# Altium PCB BCM_ECU_revA.PcbDoc (part 1 of 2)
Units mil, origin at the board's own origin, x right, y up, seen from the top; angles counter-clockwise.
Board outline 6000 x 4000 mil, 2 copper layers (Top Layer, Bottom Layer); 334 components, 321 nets, 1183 pads, 0 vias.
Unrouted connection lines stored in the file: 714.
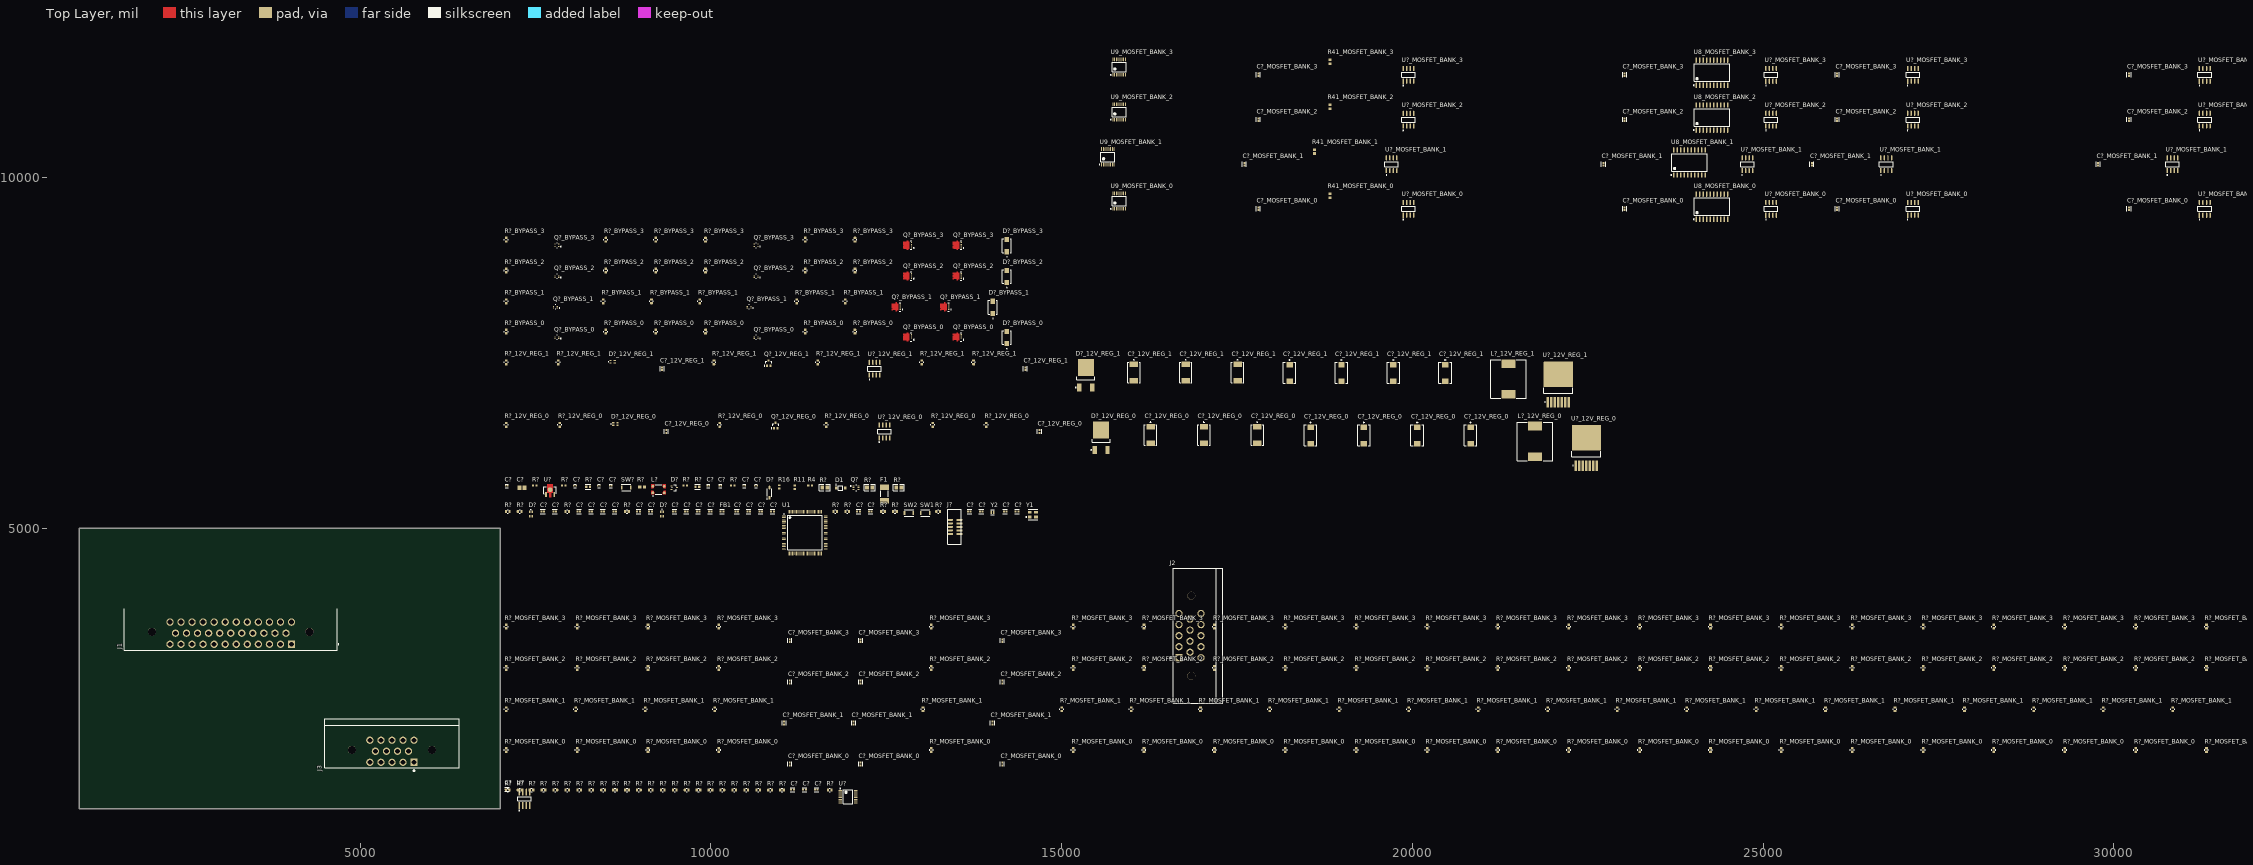
[diagram p0: Top Layer view]
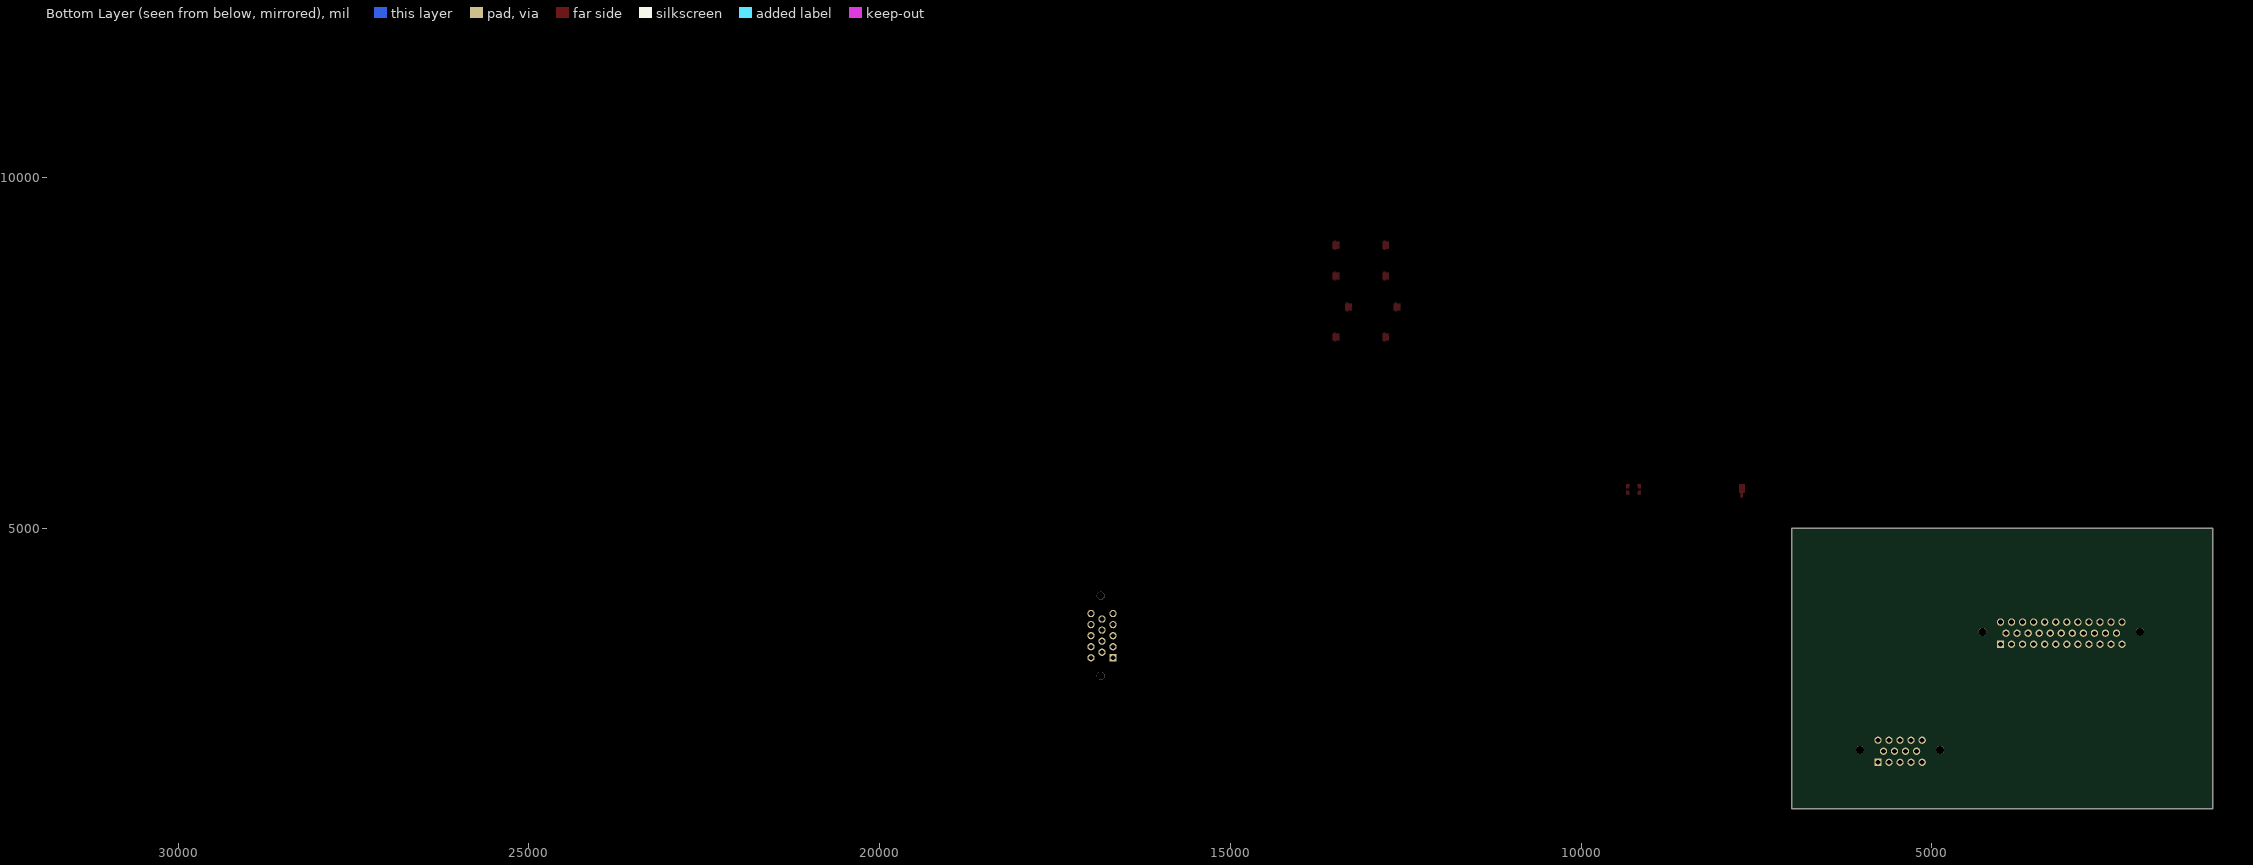
[diagram p1: Bottom Layer view, seen from below]

## Layer stack, top to bottom
Top Solder: solder mask 0.4, Solder Resist, Dk 3.5
Top Layer: signal copper 1.4
Dielectric 1: dielectric 12.6, FR-4, Dk 4.8
Bottom Layer: signal copper 1.4
Bottom Solder: solder mask 0.4, Solder Resist, Dk 3.5

## Board outline
1000,1000 7000,1000 7000,5000 1000,5000

## Design rules (kind name [scope] priority, off if disabled: settings)
Clearance [All] p1: gap=10 ignorepadtopadclearanceinfootprint=FALSE
DiffPairsRouting [All] p1: maxlimit=10 minlimit=10 mostfreqgap=10 toplayer_minwidth=15 toplayer_maxwidth=15 toplayer_prefwidth=15 bottomlayer_minwidth=15 bottomlayer_maxwidth=15 bottomlayer_prefwidth=15 maxuncoupledlength=500
PolygonConnect [All] p1: connectstyle=Relief reliefconductorwidth=10 reliefentries=4 polygonreliefangle="90 Angle" airgapwidth=10
RoutingVias [All] p1: holewidth=28 width=50 viastyle="Through Hole" minholewidth=28 minwidth=50 maxholewidth=28 maxwidth=50
SolderMaskExpansion [All] p1: expansion=4 istentingtop=FALSE
Width [All] p1: maxlimit=10 minlimit=10 preferedwidth=10
29 further rules are at their usual default settings.

## Classes and differential pairs
channel class MOSFET_BANK: MOSFET_BANK_0 MOSFET_BANK_1 MOSFET_BANK_2 MOSFET_BANK_3
channel class BYPASS_BLOCK: BYPASS_0 BYPASS_1 BYPASS_2 BYPASS_3
channel class 12V_REG: 12V_REG_0 12V_REG_1
net class 120DIFF: CAN_N CAN_P PRE_CAN_N PRE_CAN_P
component class PWR_MGMT: C? D1 D? F1 L? Q1 Q2 Q3 Q4 Q6 Q7 Q? R4 R11 R16 R? SW? U?
component class MOSFET_BANK_3: C?_MOSFET_BANK_3 R17_MOSFET_BANK_3 R18_MOSFET_BANK_3 R21_MOSFET_BANK_3 R22_MOSFET_BANK_3 R41_MOSFET_BANK_3 R?_MOSFET_BANK_3 U8_MOSFET_BANK_3 U9_MOSFET_BANK_3 U?_MOSFET_BANK_3
component class MOSFET_BANK_2: C?_MOSFET_BANK_2 R17_MOSFET_BANK_2 R18_MOSFET_BANK_2 R21_MOSFET_BANK_2 R22_MOSFET_BANK_2 R41_MOSFET_BANK_2 R?_MOSFET_BANK_2 U8_MOSFET_BANK_2 U9_MOSFET_BANK_2 U?_MOSFET_BANK_2
component class MOSFET_BANK_1: C?_MOSFET_BANK_1 R17_MOSFET_BANK_1 R18_MOSFET_BANK_1 R21_MOSFET_BANK_1 R22_MOSFET_BANK_1 R41_MOSFET_BANK_1 R?_MOSFET_BANK_1 U8_MOSFET_BANK_1 U9_MOSFET_BANK_1 U?_MOSFET_BANK_1
component class MOSFET_BANK_0: C?_MOSFET_BANK_0 R17_MOSFET_BANK_0 R18_MOSFET_BANK_0 R21_MOSFET_BANK_0 R22_MOSFET_BANK_0 R41_MOSFET_BANK_0 R?_MOSFET_BANK_0 U8_MOSFET_BANK_0 U9_MOSFET_BANK_0 U?_MOSFET_BANK_0
component class MCU_0: C? D? FB1 J1 R? SW1 SW2 U1 Y1 Y2
component class BCM_ECU: J1 J2 J3
component class BYPASS_3: D?_BYPASS_3 Q?_BYPASS_3 R?_BYPASS_3
component class BYPASS_2: D?_BYPASS_2 Q?_BYPASS_2 R?_BYPASS_2
component class BYPASS_1: D?_BYPASS_1 Q?_BYPASS_1 R?_BYPASS_1
component class BYPASS_0: D?_BYPASS_0 Q?_BYPASS_0 R?_BYPASS_0
component class ADC_0: C? R? U?
component class 12V_REG_1: C?_12V_REG_1 D?_12V_REG_1 L?_12V_REG_1 Q?_12V_REG_1 R?_12V_REG_1 U?_12V_REG_1
component class 12V_REG_0: C?_12V_REG_0 D?_12V_REG_0 L?_12V_REG_0 Q?_12V_REG_0 R?_12V_REG_0 U?_12V_REG_0
differential pair X: +X_P -X_N
differential pair X32: +X32_P -X32_N
differential pair PRE_CAN: +PRE_CAN_P -PRE_CAN_N

## Components (designator, comment, footprint, x,y, rotation, side; value= is the part's Value field where it differs from the comment)
C? "100n" FP-0402-L_1_0_0_05-W_0_5-IPC_A 7095,1280 r0 top
C? "1u" C0402B 9480,5240 r0 top
C? "100n" C0402B 9140,5240 r0 top
C? "100n" C0402B 8290,5240 r0 top
C? "100n" C0402B 10880,5240 r0 top
C? "18p" C0402B 13855,5240 r0 top
C? "100n" C0402B 10540,5240 r0 top
C? "1u" C0402B 8120,5240 r0 top
C? "18p" C0402B 13685,5240 r0 top
C? "C0402C104K8PACTU" FP-C0402-BB-MFG 10645,5605 r0 top value="0.10 μF"
C? "C0402C104K8PACTU" FP-C0402-BB-MFG 7090,5605 r0 top value="0.10 μF"
C? "C0402C104K8PACTU" FP-C0402-BB-MFG 8405,5605 r0 top value="0.10 μF"
C? "C0402C104K8PACTU" FP-C0402-BB-MFG 10475,5605 r0 top value="0.10 μF"
C? "C0402C104K8PACTU" FP-C0402-BB-MFG 8065,5605 r0 top value="0.10 μF"
C? "C0805C225K9PACTU" CAPC2013X145X50ML20T25 7310,5580 r0 top
C? "C0402C104K8PACTU" FP-C0402-BB-MFG 10135,5605 r0 top value="0.10 μF"
C? "C0402C104K8PACTU" FP-C0402-BB-MFG 9965,5605 r0 top value="0.10 μF"
C? "C0402C104K8PACTU" FP-C0402-BB-MFG 8575,5605 r0 top value="0.10 μF"
C? "6.8p" C0402B 14365,5240 r0 top
C? "100n" C0402B 10370,5240 r0 top
C? "100n" C0402B 9820,5240 r0 top
C? "1u" C0402B 7605,5240 r0 top
C? "100n" FP-0402-L_1_0_0_05-W_0_5-IPC_A 11335,1275 r0 top
C? "100n" FP-0402-L_1_0_0_05-W_0_5-IPC_A 11165,1275 r0 top
C? "100n" C0402B 9650,5240 r0 top
C? "100n" FP-0402-L_1_0_0_05-W_0_5-IPC_A 11505,1275 r0 top
C? "100n" C0402B 8630,5240 r0 top
C? "2.2u" C0402B 8970,5240 r0 top
C? "100n" C0402B 12105,5240 r0 top
C? "2.2u" C0402B 8460,5240 r0 top
C? "100n" C0402B 9990,5240 r0 top
C? "100n" C0402B 12275,5240 r0 top
C? "100n" C0402B 7775,5240 r0 top
C? "4.7u" C0402B 10710,5240 r0 top
C? "6.8p" C0402B 14195,5240 r0 top
C?_12V_REG_0 "T495D107K016ATE125" FP-T495D107K016ATE125-MFG 20070,6325 r90 top (schematic designator C?)
C?_12V_REG_0 "100n" C0402B 14685,6380 r90 top (schematic designator C?)
C?_12V_REG_0 "T495D107K016ATE125" FP-T495D107K016ATE125-MFG 20830,6325 r90 top (schematic designator C?)
C?_12V_REG_0 "T495D107K016ATE125" FP-T495D107K016ATE125-MFG 18550,6325 r90 top (schematic designator C?)
C?_12V_REG_0 "100n" FP-0402-L_1_0_0_05-W_0_5-IPC_A 9365,6380 r90 top (schematic designator C?)
C?_12V_REG_0 "TPSE686K025R0125" FP-TPSE-MFG 17790,6330 r90 top (schematic designator C?)
C?_12V_REG_0 "TPSE686K025R0125" FP-TPSE-MFG 17030,6330 r90 top (schematic designator C?)
C?_12V_REG_0 "TPSE686K025R0125" FP-TPSE-MFG 16270,6330 r90 top (schematic designator C?)
C?_12V_REG_0 "T495D107K016ATE125" FP-T495D107K016ATE125-MFG 19310,6325 r90 top (schematic designator C?)
C?_12V_REG_1 "100n" C0402B 14485,7275 r90 top (schematic designator C?)
C?_12V_REG_1 "T495D107K016ATE125" FP-T495D107K016ATE125-MFG 18250,7215 r90 top (schematic designator C?)
C?_12V_REG_1 "T495D107K016ATE125" FP-T495D107K016ATE125-MFG 18990,7215 r90 top (schematic designator C?)
C?_12V_REG_1 "TPSE686K025R0125" FP-TPSE-MFG 17510,7220 r90 top (schematic designator C?)
C?_12V_REG_1 "TPSE686K025R0125" FP-TPSE-MFG 16770,7220 r90 top (schematic designator C?)
C?_12V_REG_1 "TPSE686K025R0125" FP-TPSE-MFG 16030,7220 r90 top (schematic designator C?)
C?_12V_REG_1 "T495D107K016ATE125" FP-T495D107K016ATE125-MFG 20470,7215 r90 top (schematic designator C?)
C?_12V_REG_1 "T495D107K016ATE125" FP-T495D107K016ATE125-MFG 19730,7215 r90 top (schematic designator C?)
C?_12V_REG_1 "100n" FP-0402-L_1_0_0_05-W_0_5-IPC_A 9305,7275 r90 top (schematic designator C?)
C?_MOSFET_BANK_0 "100n" FP-0402-L_1_0_0_05-W_0_5-IPC_A 14155,1640 r90 top (schematic designator C?)
C?_MOSFET_BANK_0 "100n" FP-0402-L_1_0_0_05-W_0_5-IPC_A 12135,1640 r90 top (schematic designator C?)
C?_MOSFET_BANK_0 "100n" FP-0402-L_1_0_0_05-W_0_5-IPC_A 11125,1640 r90 top (schematic designator C?)
C?_MOSFET_BANK_0 "100n" FP-0402-L_1_0_0_05-W_0_5-IPC_A 17805,9555 r90 top (schematic designator C?)
C?_MOSFET_BANK_0 "100n" FP-0402-L_1_0_0_05-W_0_5-IPC_A 30215,9555 r90 top (schematic designator C?)
C?_MOSFET_BANK_0 "100n" FP-0402-L_1_0_0_05-W_0_5-IPC_A 26055,9555 r90 top (schematic designator C?)
C?_MOSFET_BANK_0 "100n" FP-0402-L_1_0_0_05-W_0_5-IPC_A 23025,9555 r90 top (schematic designator C?)
C?_MOSFET_BANK_1 "100n" FP-0402-L_1_0_0_05-W_0_5-IPC_A 11045,2225 r90 top (schematic designator C?)
C?_MOSFET_BANK_1 "100n" FP-0402-L_1_0_0_05-W_0_5-IPC_A 12035,2225 r90 top (schematic designator C?)
C?_MOSFET_BANK_1 "100n" FP-0402-L_1_0_0_05-W_0_5-IPC_A 14015,2225 r90 top (schematic designator C?)
C?_MOSFET_BANK_1 "100n" FP-0402-L_1_0_0_05-W_0_5-IPC_A 25695,10190 r90 top (schematic designator C?)
C?_MOSFET_BANK_1 "100n" FP-0402-L_1_0_0_05-W_0_5-IPC_A 29775,10190 r90 top (schematic designator C?)
C?_MOSFET_BANK_1 "100n" FP-0402-L_1_0_0_05-W_0_5-IPC_A 17605,10190 r90 top (schematic designator C?)
C?_MOSFET_BANK_1 "100n" FP-0402-L_1_0_0_05-W_0_5-IPC_A 22725,10190 r90 top (schematic designator C?)
C?_MOSFET_BANK_2 "100n" FP-0402-L_1_0_0_05-W_0_5-IPC_A 11125,2810 r90 top (schematic designator C?)
C?_MOSFET_BANK_2 "100n" FP-0402-L_1_0_0_05-W_0_5-IPC_A 12135,2810 r90 top (schematic designator C?)
C?_MOSFET_BANK_2 "100n" FP-0402-L_1_0_0_05-W_0_5-IPC_A 14155,2810 r90 top (schematic designator C?)
C?_MOSFET_BANK_2 "100n" FP-0402-L_1_0_0_05-W_0_5-IPC_A 26055,10825 r90 top (schematic designator C?)
C?_MOSFET_BANK_2 "100n" FP-0402-L_1_0_0_05-W_0_5-IPC_A 17805,10825 r90 top (schematic designator C?)
C?_MOSFET_BANK_2 "100n" FP-0402-L_1_0_0_05-W_0_5-IPC_A 30215,10825 r90 top (schematic designator C?)
C?_MOSFET_BANK_2 "100n" FP-0402-L_1_0_0_05-W_0_5-IPC_A 23025,10825 r90 top (schematic designator C?)
C?_MOSFET_BANK_3 "100n" FP-0402-L_1_0_0_05-W_0_5-IPC_A 11125,3400 r90 top (schematic designator C?)
C?_MOSFET_BANK_3 "100n" FP-0402-L_1_0_0_05-W_0_5-IPC_A 12135,3400 r90 top (schematic designator C?)
C?_MOSFET_BANK_3 "100n" FP-0402-L_1_0_0_05-W_0_5-IPC_A 14155,3400 r90 top (schematic designator C?)
C?_MOSFET_BANK_3 "100n" FP-0402-L_1_0_0_05-W_0_5-IPC_A 26055,11465 r90 top (schematic designator C?)
C?_MOSFET_BANK_3 "100n" FP-0402-L_1_0_0_05-W_0_5-IPC_A 17805,11465 r90 top (schematic designator C?)
C?_MOSFET_BANK_3 "100n" FP-0402-L_1_0_0_05-W_0_5-IPC_A 23025,11465 r90 top (schematic designator C?)
C?_MOSFET_BANK_3 "100n" FP-0402-L_1_0_0_05-W_0_5-IPC_A 30215,11465 r90 top (schematic designator C?)
D1 "MMSZ5242BT1G" ONSC-SOD-123-2-425-04_V 11850,5575 r0 top
D? "150066RG54050" WL-SBCD_0606 9305,5205 r0 top
D? "150066RG54050" WL-SBCD_0606 7435,5205 r0 top
D? "1N4148W-TP" FP-SOD-123-IPC_A 10835,5510 r90 top
D? "ESDCAN02-2BWY" FP-SOT323-3L-MFG 9480,5580 r0 top value=3pF
D?_12V_REG_0 "SBRD8835LT4G" ONSC-DPAK-3-369C-01_V 15565,6290 r90 top (schematic designator D?)
D?_12V_REG_0 "150066RG54050" WL-SBCD_0606 8640,6485 r90 top (schematic designator D?)
D?_12V_REG_1 "SBRD8835LT4G" ONSC-DPAK-3-369C-01_V 15345,7180 r90 top (schematic designator D?)
D?_12V_REG_1 "150066RG54050" WL-SBCD_0606 8600,7375 r90 top (schematic designator D?)
D?_BYPASS_0 "SK34A-LTP" SK34A-LTP-Footprint-1 14220,7720 r90 top (schematic designator D?)
D?_BYPASS_1 "SK34A-LTP" SK34A-LTP-Footprint-1 14020,8150 r90 top (schematic designator D?)
D?_BYPASS_2 "SK34A-LTP" SK34A-LTP-Footprint-1 14220,8590 r90 top (schematic designator D?)
D?_BYPASS_3 "SK34A-LTP" SK34A-LTP-Footprint-1 14220,9030 r90 top (schematic designator D?)
F1 "0679L9100-05" FP-0679L-MFG 12475,5490 r90 top value=0.0038Ω
FB1 "BLM15PX601SN1D" FP-BLM15-0_05-IPC_A 10160,5240 r0 top
J1 "776163-1" FP-776163-1-MFG 3157.05,4015.16 r180 top
J2 "1-776267-1" 1-776267-2-Footprint-1 16850,3470 r90 top
J3 "1-776267-1" 1-776267-2-Footprint-1 5455,1842.2 r180 top
J? "3220-10-0300-00" 3220-10-0300-00-Footprint-1 13475,5020 r0 top
L? "SRF4532-510Y" FP-SRF4532-MFG 9255,5555 r0 top
L?_12V_REG_0 "SRP1265A-100M" FP-SRP1265A-100M-MFG 21750,6240 r90 top (schematic designator L?)
L?_12V_REG_1 "SRP1265A-100M" FP-SRP1265A-100M-MFG 21370,7130 r90 top (schematic designator L?)
Q? "SSM6N7002KFU,LF" FP-SSOP6-P-0_65A-MFG 12070,5580 r0 top
Q?_12V_REG_0 "BSS138W-7-F" DIOD-SOT323-3_V 10925,6465 r90 top (schematic designator Q?)
Q?_12V_REG_1 "BSS138W-7-F" DIOD-SOT323-3_V 10825,7355 r90 top (schematic designator Q?)
Q?_BYPASS_0 "SSM6L56FE,LM" FP-SON6-P-0_50-MFG 10645,7725 r90 top (schematic designator Q?)
Q?_BYPASS_0 "SISH615ADN-T1-GE3" SISH615ADN-T1-GE3-Footprint-1 13515,7725 r90 top (schematic designator Q?)
Q?_BYPASS_0 "SSM6L56FE,LM" FP-SON6-P-0_50-MFG 7805,7725 r90 top (schematic designator Q?)
Q?_BYPASS_0 "SISH615ADN-T1-GE3" SISH615ADN-T1-GE3-Footprint-1 12805,7725 r90 top (schematic designator Q?)
Q?_BYPASS_1 "SISH615ADN-T1-GE3" SISH615ADN-T1-GE3-Footprint-1 12645,8155 r90 top (schematic designator Q?)
Q?_BYPASS_1 "SSM6L56FE,LM" FP-SON6-P-0_50-MFG 7785,8160 r90 top (schematic designator Q?)
Q?_BYPASS_1 "SISH615ADN-T1-GE3" SISH615ADN-T1-GE3-Footprint-1 13335,8155 r90 top (schematic designator Q?)
Q?_BYPASS_1 "SSM6L56FE,LM" FP-SON6-P-0_50-MFG 10545,8160 r90 top (schematic designator Q?)
Q?_BYPASS_2 "SISH615ADN-T1-GE3" SISH615ADN-T1-GE3-Footprint-1 12805,8595 r90 top (schematic designator Q?)
Q?_BYPASS_2 "SISH615ADN-T1-GE3" SISH615ADN-T1-GE3-Footprint-1 13515,8595 r90 top (schematic designator Q?)
Q?_BYPASS_2 "SSM6L56FE,LM" FP-SON6-P-0_50-MFG 10645,8595 r90 top (schematic designator Q?)
Q?_BYPASS_2 "SSM6L56FE,LM" FP-SON6-P-0_50-MFG 7805,8595 r90 top (schematic designator Q?)
Q?_BYPASS_3 "SISH615ADN-T1-GE3" SISH615ADN-T1-GE3-Footprint-1 13515,9035 r90 top (schematic designator Q?)
Q?_BYPASS_3 "SSM6L56FE,LM" FP-SON6-P-0_50-MFG 10645,9035 r90 top (schematic designator Q?)
Q?_BYPASS_3 "SSM6L56FE,LM" FP-SON6-P-0_50-MFG 7805,9035 r90 top (schematic designator Q?)
Q?_BYPASS_3 "SISH615ADN-T1-GE3" SISH615ADN-T1-GE3-Footprint-1 12805,9035 r90 top (schematic designator Q?)
R4 "ERJ3EKF1002V" RESC1609X55X30LL15T15 11415,5610 r0 top
R11 "ERJ3EKF1002V" RESC1609X55X30LL15T15 11195,5585 r90 top
R16 "ERJ3EKF2701V" RESC1608X55X30LL15T15 10975,5590 r90 top
R41_MOSFET_BANK_0 "ERT-J1VR103J" RESC1608X90X30ML15T20 18825,9740 r90 top (schematic designator R41)
R41_MOSFET_BANK_1 "ERT-J1VR103J" RESC1608X90X30ML15T20 18605,10370 r90 top (schematic designator R41)
R41_MOSFET_BANK_2 "ERT-J1VR103J" RESC1608X90X30ML15T20 18825,11010 r90 top (schematic designator R41)
R41_MOSFET_BANK_3 "ERT-J1VR103J" RESC1608X90X30ML15T20 18825,11650 r90 top (schematic designator R41)
R? "330" R0603B 7955,5240 r0 top
R? "10k" R0603B 11775,5240 r0 top
R? "330" R0603B 7275,5240 r0 top
R? "330" R0603B 12455,5240 r0 top
R? "330" R0603B 7105,5240 r0 top
R? "24k" R0603B 8295,1270 r0 top
R? "100k" R0603B 8805,1270 r0 top
R? "100k" R0603B 9995,1270 r0 top
R? "24k" R0603B 7275,1270 r0 top
R? "100k" R0603B 11015,1270 r0 top
R? "ERJ-3EKF60R4V" FP-ERJ3EK-IPC_C 9810,5595 r0 top
R? "1k" R0805A 12265,5580 r0 top
R? "10k" R0805A 11625,5580 r0 top
R? "10k" R0805A 12680,5580 r0 top
R? "ERJ3EKF1002V" RESC1609X55X30LL15T15 10315,5610 r0 top
R? "10k" R0603B 11945,5240 r0 top
R? "330" R0603B 8805,5240 r0 top
R? "330" R0603B 12625,5240 r0 top
R? "ERJ-3EKF60R4V" FP-ERJ3EK-IPC_C 8250,5595 r0 top
R? "10k" R0603B 13240,5240 r0 top
R? "24k" R0603B 7955,1270 r0 top
R? "100k" R0603B 9485,1270 r0 top
R? "24k" R0603B 8125,1270 r0 top
R? "100k" R0603B 10675,1270 r0 top
R? "100k" R0603B 10505,1270 r0 top
R? "100k" R0603B 9145,1270 r0 top
R? "100k" R0603B 8635,1270 r0 top
R? "100k" R0603B 10845,1270 r0 top
R? "100k" R0603B 8975,1270 r0 top
R? "24k" R0603B 7105,1270 r0 top
R? "24k" R0603B 7615,1270 r0 top
R? "100k" R0603B 9825,1270 r0 top
R? "100k" R0603B 9655,1270 r0 top
R? "100k" R0603B 8465,1270 r0 top
R? "100k" R0603B 9315,1270 r0 top
R? "56" R0603B 11695,1270 r0 top
R? "24k" R0603B 7445,1270 r0 top
R? "100k" R0603B 10335,1270 r0 top
R? "100k" R0603B 10165,1270 r0 top
R? "24k" R0603B 7785,1270 r0 top
R? "ERJ3EKF1002V" RESC1609X55X30LL15T15 7490,5610 r0 top
R? "ERJ-3EKF1001V" RESC1608X55X30LL15T15 9635,5610 r0 top
R? "ERJ-3EKF1200V" RESC1609X55X30ML15T15 9020,5590 r0 top
R? "ERJ3EKF1002V" RESC1609X55X30LL15T15 7905,5610 r0 top
R?_12V_REG_0 "10k" R0603B 13165,6475 r90 top (schematic designator R?)
R?_12V_REG_0 "330" R0603B 7085,6475 r90 top (schematic designator R?)
R?_12V_REG_0 "1k" R0603B 11645,6475 r90 top (schematic designator R?)
R?_12V_REG_0 "1k" R0603B 13925,6475 r90 top (schematic designator R?)
R?_12V_REG_0 "1k" R0603B 7845,6475 r90 top (schematic designator R?)
R?_12V_REG_0 "100k" R0603B 10125,6475 r90 top (schematic designator R?)
R?_12V_REG_1 "100k" R0603B 10045,7365 r90 top (schematic designator R?)
R?_12V_REG_1 "330" R0603B 7085,7365 r90 top (schematic designator R?)
R?_12V_REG_1 "1k" R0603B 13745,7365 r90 top (schematic designator R?)
R?_12V_REG_1 "10k" R0603B 13005,7365 r90 top (schematic designator R?)
R?_12V_REG_1 "1k" R0603B 7825,7365 r90 top (schematic designator R?)
R?_12V_REG_1 "1k" R0603B 11525,7365 r90 top (schematic designator R?)
R?_BYPASS_0 "1k" R0603B 8505,7805 r90 top (schematic designator R?)
R?_BYPASS_0 "100k" R0603B 7085,7805 r90 top (schematic designator R?)
R?_BYPASS_0 "100k" R0603B 12055,7805 r90 top (schematic designator R?)
R?_BYPASS_0 "1k" R0603B 11345,7805 r90 top (schematic designator R?)
R?_BYPASS_0 "100k" R0603B 9215,7805 r90 top (schematic designator R?)
R?_BYPASS_0 "1k" R0603B 9925,7805 r90 top (schematic designator R?)
R?_BYPASS_1 "1k" R0603B 9845,8235 r90 top (schematic designator R?)
R?_BYPASS_1 "1k" R0603B 8465,8235 r90 top (schematic designator R?)
R?_BYPASS_1 "100k" R0603B 7085,8235 r90 top (schematic designator R?)
R?_BYPASS_1 "1k" R0603B 11225,8235 r90 top (schematic designator R?)
R?_BYPASS_1 "100k" R0603B 9155,8235 r90 top (schematic designator R?)
R?_BYPASS_1 "100k" R0603B 11915,8235 r90 top (schematic designator R?)
R?_BYPASS_2 "1k" R0603B 9925,8675 r90 top (schematic designator R?)
R?_BYPASS_2 "100k" R0603B 12055,8675 r90 top (schematic designator R?)
R?_BYPASS_2 "1k" R0603B 11345,8675 r90 top (schematic designator R?)
R?_BYPASS_2 "100k" R0603B 9215,8675 r90 top (schematic designator R?)
R?_BYPASS_2 "1k" R0603B 8505,8675 r90 top (schematic designator R?)
R?_BYPASS_2 "100k" R0603B 7085,8675 r90 top (schematic designator R?)
R?_BYPASS_3 "100k" R0603B 12055,9115 r90 top (schematic designator R?)
R?_BYPASS_3 "1k" R0603B 11345,9115 r90 top (schematic designator R?)
R?_BYPASS_3 "100k" R0603B 7085,9115 r90 top (schematic designator R?)
R?_BYPASS_3 "100k" R0603B 9215,9115 r90 top (schematic designator R?)
R?_BYPASS_3 "1k" R0603B 8505,9115 r90 top (schematic designator R?)
R?_BYPASS_3 "1k" R0603B 9925,9115 r90 top (schematic designator R?)